# Altium PCB CATS-FAT..PcbDoc (part 2 of 2)
Units mm, origin at the board's own origin, x right, y up, seen from the top; angles counter-clockwise.
Board outline 100 x 33 mm, 4 copper layers (Top Layer, Mid Layer 1, Mid Layer 2, Bottom Layer), stack 1.57 mm thick; 163 components, 100 nets, 630 pads, 225 vias.
Unrouted connection lines stored in the file: 104.
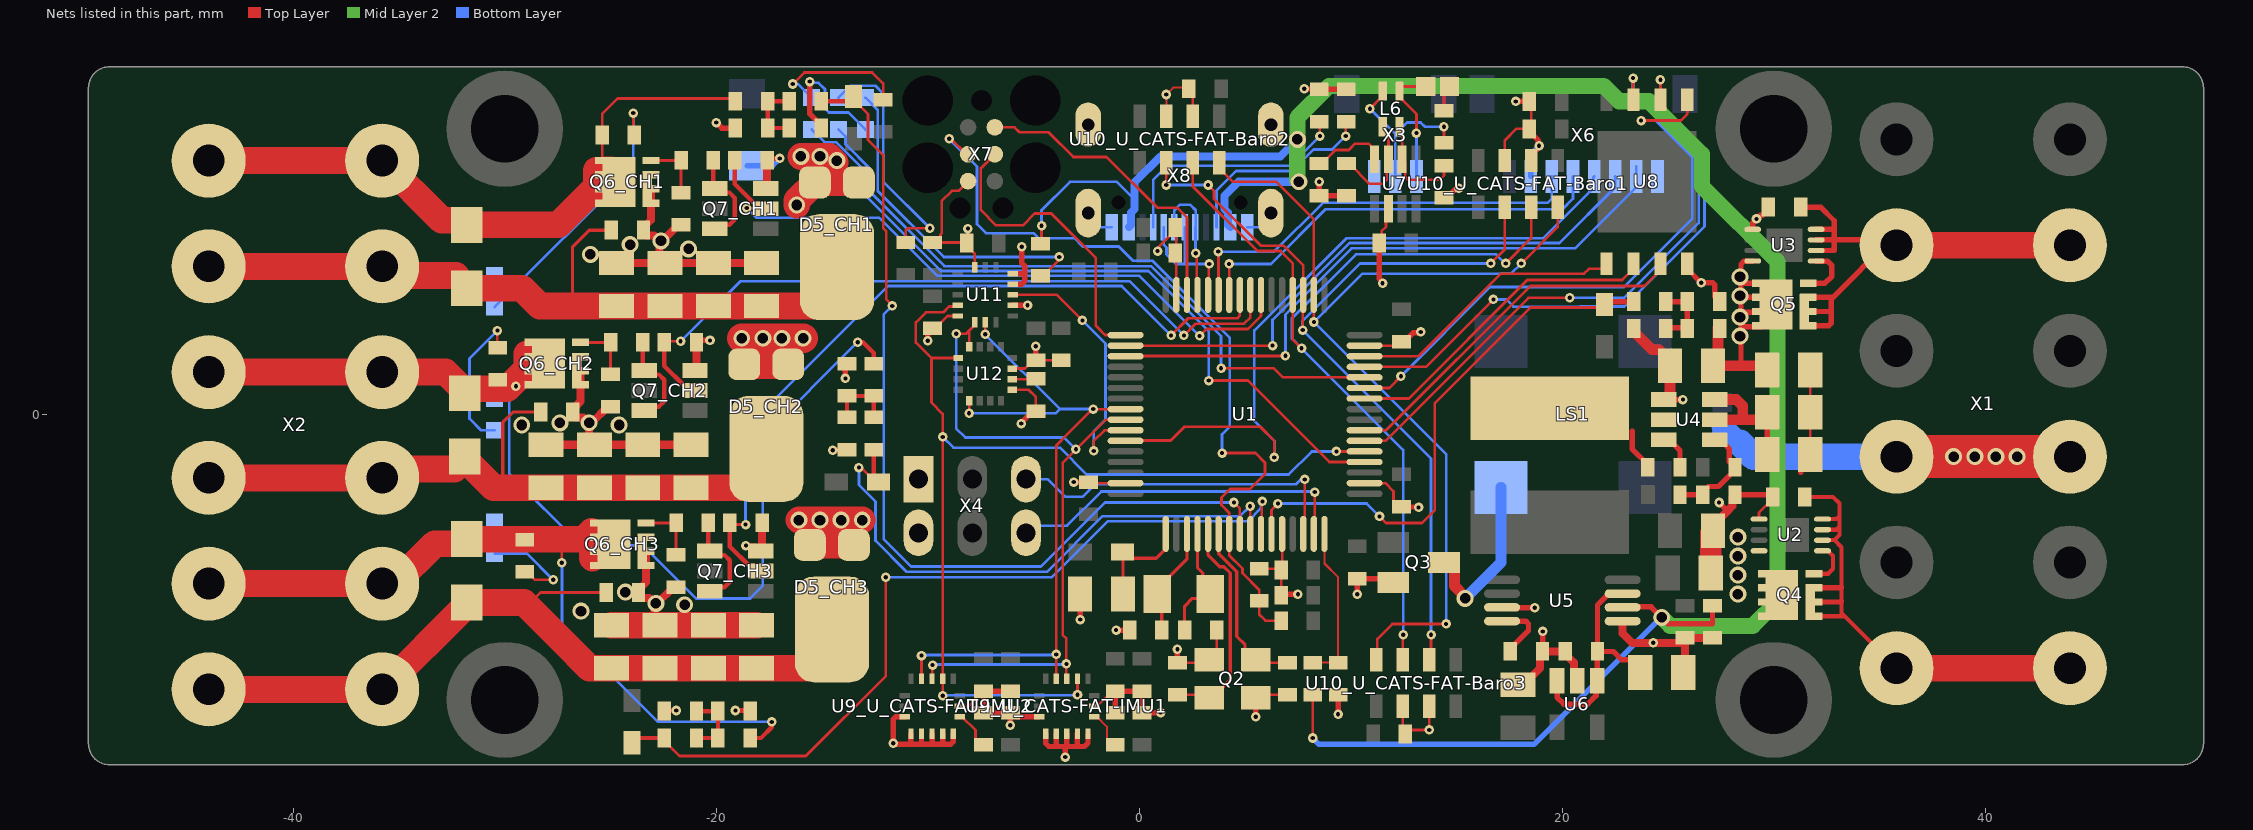
[diagram p4: the nets of this part, all layers, seen from the top]

## Via types
v1: diameter 0.45, hole 0.2, Top Layer to Bottom Layer, tented both sides, 176 vias
v2: diameter 0.8, hole 0.5, Top Layer to Bottom Layer, tented both sides, 46 vias
v3: diameter 0.55, hole 0.3, Top Layer to Bottom Layer, tented both sides, 3 vias

## Nets (pads, with @x,y where several pads share a name; then routed paths per layer and width w, separated by ;. In a path a pad name is that pad's centre, name@x,y a point inside that pad or via, vN(x,y) a via of type N, cw(c..) or ccw(c..) an arc to the next point about the centre after c; other vN are vias at no path point) (continued)
GND: C1.1 C2.1 C3.1 C4.1 C5.1 C6.1 C7.1 C8.1 C9.1 C10.1 C11.1 C12.1 C13.1 C14.1 C15.1 C16.1 C17.1 C19.1 C22.1 C23.1 C24.1 C25.1 C26.1 C27.1 C28.1 C29.1 C30.1 C31_CH1.1 C31_CH2.1 C31_CH3.1 C32_CH1.1 C32_CH2.1 C32_CH3.1 C33_CH1.1 C33_CH2.1 C33_CH3.1 C34_CH1.1 C34_CH2.1 C34_CH3.1 C35_CH1.1 C35_CH2.1 C35_CH3.1 C36.1 C37.1 C38.1 C39.1 C40_U_CATS-FAT-IMU1.1 C40_U_CATS-FAT-IMU2.1 C41_U_CATS-FAT-IMU1.1 C41_U_CATS-FAT-IMU2.1 C42_U_CATS-FAT-IMU1.1 C42_U_CATS-FAT-IMU2.1 C43_U_CATS-FAT-IMU1.1 C43_U_CATS-FAT-IMU2.1 C44_U_CATS-FAT-Baro1.1 C44_U_CATS-FAT-Baro2.1 C44_U_CATS-FAT-Baro3.1 C45.1 C46.1 C47.1 C48.1 C49.1 C50.1 JP1.1 P3.K P4_CH1.K P4_CH2.K P4_CH3.K Q2.3 Q3.S Q6_CH1.S Q6_CH2.S Q6_CH3.S Q7_CH1.3 Q7_CH2.3 Q7_CH3.3 R6.1 R10.1 R11.1 R13.1 R17_CH1.1 R17_CH2.1 R17_CH3.1 R19_CH1.1 R19_CH2.1 R19_CH3.1 R20_CH1.1 R20_CH2.1 R20_CH3.1 R21_CH1.1 R21_CH2.1 R21_CH3.1 R23.1 R24.1 R25.2 R27.1 S2.2 U1.12 U1.18 U1.31 U1.47 U1.63 U2.5 U3.5 U4.4 U5.3 U5.5 U6.2 U7.2 U8.4 U9_U_CATS-FAT-IMU1.8 U9_U_CATS-FAT-IMU1.9 U9_U_CATS-FAT-IMU1.10 U9_U_CATS-FAT-IMU1.11 U9_U_CATS-FAT-IMU1.12 U9_U_CATS-FAT-IMU1.13 U9_U_CATS-FAT-IMU1.15 U9_U_CATS-FAT-IMU2.8 U9_U_CATS-FAT-IMU2.9 U9_U_CATS-FAT-IMU2.10 U9_U_CATS-FAT-IMU2.11 U9_U_CATS-FAT-IMU2.12 U9_U_CATS-FAT-IMU2.13 U9_U_CATS-FAT-IMU2.15 U10_U_CATS-FAT-Baro1.2 U10_U_CATS-FAT-Baro1.3 U10_U_CATS-FAT-Baro2.2 U10_U_CATS-FAT-Baro2.3 U10_U_CATS-FAT-Baro3.2 U10_U_CATS-FAT-Baro3.3 U11.5 U11.10 U11.12 U11.13 U11.16 U12.9 U12.11 X1.3 X3.1 X4.1 X4.2 X6.2 X6.8 X7.5 X8.A1B12 X8.B1A12 X8.G1 X8.G2 X8.G3 X8.G4 | length 210.3
  Top Layer w0.102: U9_U_CATS-FAT-IMU1.15@-2.129,-13.8 -2.004,-13.8 -1.552,-13.348 -1.41,-13.348 C41_U_CATS-FAT-IMU1.1@-1.143,-13.081 ; U10_U_CATS-FAT-Baro2.3@1.275,14.1 v1(1.275,15.125) 1.6,15.45 2.288,15.45 C44_U_CATS-FAT-Baro2.1@2.338,15.4 2.525,15.213 U10_U_CATS-FAT-Baro2.2@2.525,14.1
  Top Layer w0.127: C45.1@-9.779,4.064 -9.652,4.064 -9.062,4.654 U11.5@-8.581,4.654 ; C46.1@-9.779,8.128 C46.1@-9.652,8.128 ; U9_U_CATS-FAT-IMU2.15@-8.5,-13.8 -8.085,-13.8 -7.747,-13.462 -7.747,-13.335 -7.493,-13.081 C41_U_CATS-FAT-IMU2.1@-7.366,-13.081 ; v1(-8.103,8.788) -8.103,8.167 C47.1@-8.17,8.1 ; X7.5@-8.1,11.03 -8.561,10.569 -8.862,10.569 -9.347,10.084 -9.347,8.56 -9.398,8.509 -9.398,8.382 C46.1@-9.652,8.128 ; U11.16@-7.781,6.954 -7.781,7.584 -8.17,7.973 C47.1@-8.17,8.1 ; U12.9@-6.017,1.166 -5.242,1.166 -4.892,0.816 C50.1@-4.892,0.154 ; U12.11@-6.017,2.166 -5.407,2.166 -5.019,2.554 C49.1@-4.892,2.554 C48.1@-3.692,2.554 ; C6.1@-2.4,-3.2 -2.35,-3.25 U1.63@-0.65,-3.25 ; v1(0.864,7.722) 0.925,7.783 0.925,7.936 1.7,8.711 C3.1@1.7,8.838 1.75,8.788 U1.47@1.75,5.65 ; C11.1@1.8,-11.738 3.162,-11.738 Q2.3@3.3,-11.6 3.662,-11.238 C10.1@3.662,-10.2 ; Q2.3@5.5,-13.4 5.638,-13.262 C12.1@7,-13.262 ; C13.1@5.668,-7.292 6.704,-7.292 C7.1@6.706,-7.29 ; C8.1@6.706,-8.554 C7.1@6.706,-7.354 C7.1@6.706,-7.29 ; U1.12@6.75,-5.65 6.75,-7.246 C7.1@6.706,-7.29 ; U1.18@10.65,-3.25 11.632,-3.25 12.019,-3.637 12.019,-4.108 12.273,-4.362 C4.1@12.4,-4.362 ; U1.31@10.65,3.25 12.212,3.25 C5.1@12.4,3.438 ; C38.1@11.338,8.1 11.455,8.217 11.455,8.661 11.659,8.865 11.659,9.609 U7.2@11.775,9.725 ; U10_U_CATS-FAT-Baro3.2@12.456,-13.8 12.456,-14.996 C44_U_CATS-FAT-Baro3.1@12.573,-15.113 12.624,-15.164 12.868,-14.92 v1(13.706,-14.92) U10_U_CATS-FAT-Baro3.3@13.706,-13.8 ; U10_U_CATS-FAT-Baro1.3@17.275,12 17.275,12.957 17.818,13.5 C44_U_CATS-FAT-Baro1.1@18.438,13.5 ; C39.1@18.438,14.8 18.525,14.713 C44_U_CATS-FAT-Baro1.1@18.525,13.5 ; U2.5@29.3,-4.95 29.3,-4.634 29.653,-4.281 29.684,-4.281 29.888,-4.077 C14.1@29.888,-3.85 ; C15.1@31.716,-1.9 C16.1@31.716,0.1 C19.1@31.716,2.1 ; C46.1@-9.652,8.128 -8.198,8.128 C47.1@-8.17,8.1
  Top Layer w0.254: C35_CH3.1@-22.464,-14.03 -22.434,-14 v1(-21.9,-14) ; R20_CH2.1@-20.939,3.414 -20.852,3.5 v1(-20.3,3.5) ; v1(-20,13.8) -19.737,13.537 R21_CH1.1@-19.097,13.537 ; v1(-19.1,-14) -18.43,-14 R21_CH3.1@-18.4,-14.03 ; v1(-18.6,-6.2) -18.562,-6.238 -18.129,-6.238 Q7_CH3.3@-17.909,-6.458 ; R20_CH1.1@-17.602,12.013 -17.515,12.1 v1(-17,12.1) ; v1(-15.58,15.739) -15.58,14.21 -15.033,13.664 C35_CH1.1@-15.033,13.537 ; v1(-14.5,-1.7) -14.483,-1.683 -13.843,-1.683 C35_CH2.1@-13.827,-1.666 ; v1(-13.9,1.7) -13.9,2.324 R21_CH2.1@-13.827,2.398 ; v1@-11.633,-15.599 -10.3,-15.599 ; v1(-11.633,-15.545) -11.633,-14.402 -11.531,-14.3 U9_U_CATS-FAT-IMU2.8@-11.1,-14.3 ; -10.816,-15.599 U9_U_CATS-FAT-IMU2.9@-10.8,-15.1 ; U9_U_CATS-FAT-IMU2.10@-10.3,-15.1 -10.3,-15.599 ; v1(-10.008,3.48) -10.008,3.873 -9.817,4.064 C45.1@-9.779,4.064 ; U9_U_CATS-FAT-IMU2.11@-9.8,-15.1 -9.8,-15.599 ; U9_U_CATS-FAT-IMU2.12@-9.3,-15.1 -9.3,-15.599 ; U9_U_CATS-FAT-IMU2.13@-8.8,-15.1 -8.802,-15.102 -8.802,-15.477 -8.924,-15.599 -9.3,-15.599 ; v1(-6.1,-14.7) -6.1,-14.101 C40_U_CATS-FAT-IMU2.1@-6.096,-14.097 ; C42_U_CATS-FAT-IMU2.1@-6.096,-13.081 C41_U_CATS-FAT-IMU2.1@-7.366,-13.081 C43_U_CATS-FAT-IMU2.1@-7.366,-14.097 C40_U_CATS-FAT-IMU2.1@-6.096,-14.097 ; U11.10@-5.981,5.154 -5.98,5.155 v1(-5.283,5.156) v1(-5.283,5.156) ; U11.12@-5.981,6.154 -5.979,6.156 -5.559,6.156 -5.41,6.305 -5.41,6.658 ; U11.13@-5.981,6.654 -5.415,6.654 -5.41,6.658 ; v1(-5.588,-0.432) -5.588,-0.415 -5.019,0.154 C50.1@-4.892,0.154 ; v1(-5.563,7.925) -5.563,7.164 -5.41,7.012 -5.41,6.658 ; v1(-4.902,3.226) -4.902,2.564 C49.1@-4.892,2.554 ; U9_U_CATS-FAT-IMU1.8@-4.729,-14.3 -5.766,-14.3 -5.969,-14.097 C40_U_CATS-FAT-IMU2.1@-6.096,-14.097 ; U9_U_CATS-FAT-IMU1.9@-4.429,-15.1 -4.427,-15.102 -4.427,-15.551 -4.278,-15.7 -3.839,-15.7 ; U9_U_CATS-FAT-IMU1.10@-3.929,-15.1 -3.929,-15.61 -3.839,-15.7 ; v1(-3.5,-16.2) -3.5,-15.8 -3.4,-15.7 ; U9_U_CATS-FAT-IMU1.11@-3.429,-15.1 -3.429,-15.671 -3.4,-15.7 ; v1(-3.1,-3.2) C6.1@-2.4,-3.2 ; U9_U_CATS-FAT-IMU1.12@-2.929,-15.1 -2.929,-15.671 -2.9,-15.7 ; v1(-2.8,-9.7) C1.1@-2.8,-8.5 ; U9_U_CATS-FAT-IMU1.13@-2.429,-15.1 -2.431,-15.102 -2.431,-15.531 -2.6,-15.7 -2.9,-15.7 ; C43_U_CATS-FAT-IMU1.1@-1.143,-14.097 C41_U_CATS-FAT-IMU1.1@-1.143,-13.081 C42_U_CATS-FAT-IMU1.1@0.127,-13.081 C40_U_CATS-FAT-IMU1.1@0.127,-14.097 0.128,-14.098 0.998,-14.098 v1(1,-14.1) ; v1(-1.1,-10.2) C9.1@-0.462,-10.2 ; C11.1@1.8,-11.738 v1(1.8,-11.1) ; v1(5.5,-14.3) Q2.3@5.5,-13.4 ; C8.1@6.706,-8.554 6.759,-8.5 v1(7.5,-8.5) ; v1(7.8,15.4) 7.816,15.383 8.493,15.383 R24.1@8.509,15.367 R23.1@9.779,15.367 ; v1(8.5,11) R27.1@8.5,10.338 C37.1@9.8,10.338 ; v1(9.398,-14.173) 9.398,-13.264 R25.2@9.4,-13.262 ; v1(10.3,-8.5) R6.1@10.3,-7.762 11.812,-7.762 Q3.S@12,-7.95 ; C38.1@11.338,8.1 11.338,6.415 11.5,6.253 v1(11.5,6.2) ; C4.1@12.4,-4.362 12.419,-4.381 13.181,-4.381 v1(13.2,-4.4) ; C5.1@12.4,3.438 12.527,3.438 12.951,3.862 13.262,3.862 v1(13.3,3.9) ; C36.1@14.4,10.238 14.527,10.238 14.951,10.662 15.062,10.662 v1(15.1,10.7) ; U5.3@17.15,-9.125 17.16,-9.134 18.685,-9.134 v1(18.694,-9.144) ; v1(17.8,14.8) C39.1@18.438,14.8 ; C44_U_CATS-FAT-Baro1.1@18.438,13.5 18.438,13.373 18.862,12.949 18.862,12.738 v1(18.9,12.7) 18.862,12.662 18.862,12.588 18.525,12.25 U10_U_CATS-FAT-Baro1.2@18.525,12 ; R13.1@19.062,-11.2 19.069,-11.193 19.069,-10.268 v1(19.075,-10.262) ; U4.4@24.8,0.7 v1(25.7,0.7) ; U8.4@25.905,7.125 25.905,6.885 v1(26.567,6.223) 27.102,6.223 27.203,6.121 27.203,5.563 C25.1@27.432,5.334 ; v1(27.407,-4.166) 27.802,-4.56 ; R11.1@28.162,-3.8 29.838,-3.8 29.888,-3.85 C14.1@29.938,-3.9 C14.1@29.938,-3.773 ; U3.5@29,8.75 29,9.062 v1(29.179,9.241) 29.357,9.419 29.484,9.419 29.738,9.673 C17.1@29.738,9.8 ; 31.271,-2.729 31.271,-2.344 C15.1@31.716,-1.9 ; -10.3,-15.599 -9.8,-15.599 ; -9.8,-15.599 -9.3,-15.599 ; -3.839,-15.7 -3.4,-15.7 ; -3.4,-15.7 -2.9,-15.7
  Top Layer w0.381: C31_CH2.1@-28.051,-1.436 C32_CH2.1@-25.765,-1.436 ; Q6_CH2.S@-26.595,2.057 -26.427,2.057 -26.418,2.047 Q6_CH2.S@-26.418,1.393 -26.418,0.602 -26.781,0.239 R17_CH2.1@-26.781,0.112 -26.781,-0.015 -26.654,-0.142 -26.273,-0.142 v2(-26.019,-0.396) ; R19_CH2.1@-25.003,0.366 -25.13,0.366 -25.892,-0.396 v2(-26.019,-0.396) ; C31_CH1.1@-24.714,7.163 C32_CH1.1@-22.428,7.163 ; Q6_CH3.S@-23.495,-6.479 -23.327,-6.479 -23.318,-6.489 Q6_CH3.S@-23.318,-7.143 -23.318,-7.934 -23.681,-8.297 R17_CH3.1@-23.681,-8.424 -23.681,-8.551 -23.554,-8.678 -23.173,-8.678 v2@-22.919,-8.932 ; Q6_CH1.S@-23.259,10.656 -23.09,10.656 -23.081,10.647 Q6_CH1.S@-23.081,9.992 -23.081,9.201 -23.444,8.838 R17_CH1.1@-23.444,8.711 -23.444,8.584 -23.317,8.457 -22.936,8.457 v2@-22.682,8.203 ; C32_CH3.1@-22.665,-9.972 -22.919,-9.718 v2@-22.919,-8.932 ; R19_CH3.1@-21.903,-8.17 -22.03,-8.17 -22.792,-8.932 v2@-22.919,-8.932 ; R19_CH1.1@-21.666,8.965 -21.793,8.965 -22.555,8.203 v2@-22.682,8.203 ; C34_CH2.1@-21.193,-1.436 C33_CH2.1@-23.479,-1.436 C32_CH2.1@-25.765,-1.436 ; Q7_CH2.3@-21.009,2.078 -20.939,2.148 R20_CH2.1@-20.939,3.414 ; Q7_CH3.3@-17.909,-6.458 -17.839,-6.388 R20_CH3.1@-17.839,-5.122 ; C34_CH1.1@-17.856,7.163 C33_CH1.1@-20.142,7.163 C32_CH1.1@-22.428,7.163 ; Q7_CH1.3@-17.672,10.677 -17.602,10.747 R20_CH1.1@-17.602,12.013 ; C30.1@17.9,-12.784 18.154,-12.784 18.935,-12.003 18.935,-11.327 R13.1@19.062,-11.2 C26.1@20.138,-11.2 20.138,-11.327 20.541,-11.73 20.541,-12.441 U6.2@20.7,-12.6 ; U5.5@22.85,-9.775 22.85,-10.35 23.3,-10.8 v1(24.3,-10.8) 25.562,-10.8 C27.1@25.8,-10.562 ; C29.1@25.716,-12.2 25.8,-12.116 C27.1@25.8,-10.562 ; C23.1@27.016,-5.6 C23.1@27.116,-5.5 27.116,-5.246 27.802,-4.56 28.035,-4.327 28.035,-3.927 R11.1@28.162,-3.8 ; C28.1@27.1,-10.562 C27.1@25.8,-10.562 ; v2(-26.019,-0.396) -26.019,-1.182 C32_CH2.1@-25.765,-1.436 ; v2@-22.682,8.203 -22.682,7.417 C32_CH1.1@-22.428,7.163
  Top Layer w0.508: R10.1@23.368,4.064 23.368,3.937 24.243,3.062 24.576,3.062 25.084,2.554 C22.1@25.084,2.3 25.084,0.984 U4.4@24.8,0.7
  Top Layer w1.016: C24.1@27.016,-7.5 C23.1@27.016,-5.6
  Top Layer w1.27: C31_CH3.1@-24.951,-9.972 C32_CH3.1@-22.665,-9.972 C33_CH3.1@-20.379,-9.972 C34_CH3.1@-18.093,-9.972
  Top Layer w2.032: X1.3@35.8,-2 X1.3@44,-2
  Bottom Layer w0.127: v1(-15.58,15.739) -15.519,15.678 -15.164,15.678 -14.859,15.372 -14.859,14.453 -14.681,14.275 -13.755,14.275 P3.K@-12.954,13.474 ; X8.G2@-2.42,9.52 -2.42,9.346 -1.924,8.85 X8.A1B12@-1.3,8.85 ; X8.B1A12@5.1,8.85 5.724,8.85 6.22,9.346 X8.G4@6.22,9.52
  Bottom Layer w0.254: S2.2@-18.542,11.762 -17.338,11.762 v1(-17,12.1) ; X6.2@18.5,11.25 18.5,12.3 v1(18.9,12.7)
  Bottom Layer w1.016: JP1.1@27.559,-0.559 28.346,-1.346 28.397,-1.346
  Bottom Layer w1.27: 28.397,-1.346 29.051,-2 X1.3@35.8,-2
  other v2: -26.4,-9.3 -21.5,-9 -22.855,-8.932 -24.3,-8.4 38.5,-2 39.5,-2 40.5,-2 41.5,-2 -29.2,-0.5 -24.6,-0.5 -27.4,-0.4 -25.959,7.569 -21.311,7.823 -24.079,8.026 -22.618,8.203
INT_ACCEL: U1.58 U11.11 | length 12.8
  Top Layer w0.127: U11.11@-5.981,5.654 -3.901,5.654 v1(-2.692,4.445) ; v1(-2.159,-1.727) -2.159,-1.257 -1.658,-0.756 -0.656,-0.756 U1.58@-0.65,-0.75
  Bottom Layer w0.127: v1(-2.692,4.445) -1.6,3.353 -1.6,-0.254 -2.159,-0.813 v1(-2.159,-1.727)
IO1: U1.59 X6.5 | length 34.1
  Top Layer w0.127: U1.59@-0.65,-1.25 -0.635,-1.235 1.483,-1.235 2.134,-0.584 5.715,-0.584 6.375,-1.245 v1(6.375,-2.032)
  Bottom Layer w0.127: v1(6.375,-2.032) 6.375,-1.245 5.436,-0.305 5.436,3.962 9.804,8.331 19.101,8.331 21.463,10.693 21.463,11.213 X6.5@21.5,11.25
IO2: U1.50 X6.6 | length 27.5
  Top Layer w0.127: U1.50@-0.649,3.251 v1(6.299,3.251)
  Bottom Layer w0.127: v1(6.299,3.251) 6.299,4.47 9.931,8.103 19.863,8.103 22.5,10.74 X6.6@22.5,11.25 X6.6@22.479,11.229
IO3: U1.51 X6.7 | length 29.6
  Top Layer w0.127: U1.51@-0.65,2.75 -0.641,2.759 6.9,2.759 v1(6.909,2.769)
  Bottom Layer w0.127: v1(6.909,2.769) 6.909,4.724 10.033,7.849 20.599,7.849 23.5,10.749 X6.7@23.5,11.25 X6.7@23.5,11.725
LED1: P2.K U1.20 | length 34.7
  Top Layer w0.127: v1(3.277,1.6) 5.131,1.6 8.981,-2.25 U1.20@10.65,-2.25
  Bottom Layer w0.127: P2.K@-15.494,13.474 -14.891,12.871 -14.336,12.871 -13.119,11.654 -13.119,10.519 -9.382,6.782 0.432,6.782 3.277,3.937 v1(3.277,1.6)
LED2: P1.K U1.28 | length 31.5
  Top Layer w0.127: v1(3.861,2.184) 6.35,2.184 6.784,1.75 10.622,1.75 10.636,1.764 U1.28@10.65,1.75
  Bottom Layer w0.127: P1.K@-14.224,13.474 -13.896,13.146 -13.896,12.778 -12.7,11.582 -12.7,10.5 -9.21,7.01 0.559,7.01 3.861,3.708 v1(3.861,2.184)
NetC1_2: C1.2 D1.K U1.1 | length 5
  Top Layer w0.152: D1.K@-0.8,-6.5 D1.K@-0.768,-6.532 ; C1.2@-0.768,-8.5 D1.K@-0.768,-6.532 ; U1.1@1.25,-5.65 1.25,-6.35 0.8,-6.8 -0.5,-6.8 D1.K@-0.768,-6.532
NetC9_2: C9.2 Q1.1 U1.3 | length 5.2
  Top Layer w0.152: C9.2@1.062,-10.2 1.062,-8.712 Q1.1@0.85,-8.5 0.85,-8.25 2.25,-6.85 U1.3@2.25,-5.65
NetC10_2: C10.2 Q1.2 U1.4 | length 5.7
  Top Layer w0.152: C10.2@2.138,-10.2 2.138,-9.062 2.5,-8.7 3.15,-8.7 Q1.2@3.35,-8.5 3,-8.15 3,-7.5 2.75,-7.25 U1.4@2.75,-5.65
NetC11_2: C11.2 Q2.1 U1.5 | length 10.4
  Top Layer w0.127: C11.2@1.8,-13.262 3.162,-13.262 Q2.1@3.3,-13.4
  Top Layer w0.152: U1.5@3.25,-5.65 3.25,-6.654 3.796,-7.2 4,-7.2 4.3,-7.5 4.3,-12.55 3.45,-13.4 Q2.1@3.3,-13.4
NetC12_2: C12.2 Q2.2 U1.6 | length 8.2
  Top Layer w0.127: Q2.2@5.474,-11.6 5.612,-11.738 C12.2@7,-11.738
  Top Layer w0.152: U1.6@3.75,-5.65 3.75,-6.591 4.6,-7.441 4.6,-10.5 5,-10.9 5,-11.126 Q2.2@5.474,-11.6
NetC14_2: C14.2 Q4.S U2.2 U2.3 U2.4 X1.1 | length 25.4
  Top Layer w0.2: C14.2@31.462,-3.9 32.8,-3.9 33.1,-4.2 33.1,-4.8 ; Q4.S@31.9,-9.54 33.34,-9.54 ; U2.2@32.3,-5.95 32.31,-5.94 32.86,-5.94 ; U2.3@32.3,-5.45 32.95,-5.45 33.1,-5.3 ; U2.4@32.3,-4.95 32.95,-4.95 33.1,-4.8 ; X1.1@35.8,-12 33.34,-9.54 ; 32.86,-5.94 33.2,-6.281 33.2,-8.179 33.2,-8.839 33.2,-9.4 33.34,-9.54 ; 32.86,-5.94 33.1,-5.7 33.1,-5.3 ; 33.1,-5.3 33.1,-4.8
  Top Layer w0.254: Q4.S@31.9,-8.87 33.169,-8.87 33.2,-8.839 ; Q4.S@31.9,-8.2 33.179,-8.2 33.2,-8.179
  Top Layer w1.27: X1.1@35.8,-12 X1.1@44,-12
NetC17_2: C17.2 Q5.S U3.2 U3.3 U3.4 X1.5 | length 25.6
  Top Layer w0.254: C17.2@31.262,9.8 32.212,9.8 32.855,9.156 32.855,8.75 ; Q5.S@31.625,4.195 32.592,4.195 32.715,4.318 32.715,4.865 ; Q5.S@31.625,4.865 32.715,4.865 ; Q5.S@31.625,5.535 32.789,5.535 ; U3.2@32,7.75 32.744,7.75 ; U3.3@32,8.25 32.855,8.25 ; U3.4@32,8.75 32.855,8.75 ; X1.5@35.55,8.25 X1.5@35.8,8 ; 32.715,4.865 32.715,5.461 32.789,5.535 ; 32.744,7.75 32.855,7.75 32.855,7.861 ; 32.744,7.75 32.855,7.861 ; 32.789,5.535 35.471,8.217 35.438,8.25 32.855,8.25 ; 32.855,7.861 32.855,8.25 ; 32.855,8.25 32.855,8.75
  Top Layer w1.27: X1.5@35.8,8 X1.5@44,8
NetC20_1: C20.1 U4.6 | length 1.8
  Top Layer w0.254: U4.6@24.8,-1.2 25.05,-1.2 25.562,-1.712 C20.1@25.562,-2.5
NetC20_2: C20.2 L3.1 U4.5 | length 2
  Top Layer w0.254: 23.3,-0.8 23.3,-1.635 24.038,-2.373 C20.2@24.038,-2.5
NetC21_1: C21.1 R8.1 R11.2 U4.1 | length 5.1
  Top Layer w0.254: R8.1@25.562,-3.8 R11.2@26.638,-3.8 26.638,-3.673 26.905,-3.406 27.383,-3.406 28.162,-2.627 C21.1@28.162,-2.5 27.895,-2.233 27.895,-1.645 27.45,-1.2 U4.1@27.2,-1.2
NetC25_2: C25.2 R7.1 R9.2 R10.2 | length 3.3
  Top Layer w0.254: R10.2@24.862,4.1 R7.1@25.838,4.1 ; R9.2@24.892,5.334 C25.2@25.908,5.334 R7.1@25.908,4.064
NetC26_2: C26.2 C29.2 U5.7 U6.1 U6.3 | length 11.2
  Top Layer w0.254: U6.3@19.75,-12.6 19.75,-13.383 20.067,-13.7 21.2,-13.7 21.6,-13.3 21.6,-12.65 U6.1@21.65,-12.6 C26.2@21.65,-11.212 ; U5.7@22.85,-8.475 22.2,-8.475 21.662,-9.013 C26.2@21.662,-11.2 C26.2@21.65,-11.212 ; C29.2@23.684,-12.2 23.684,-11.946 23.338,-11.6 22.803,-11.6 22.415,-11.212 C26.2@21.65,-11.212
NetC35_CH1_2: C35_CH1.2 R15_CH1.1 R18_CH1.2 R21_CH1.2 | length 3.3
  Top Layer w0.203: C35_CH1.2@-16.557,13.537 R21_CH1.2@-17.573,13.537 R15_CH1.1@-17.573,14.807 R18_CH1.2@-16.557,14.807
NetC35_CH2_2: C35_CH2.2 R15_CH2.1 R18_CH2.2 R21_CH2.2 | length 3.3
  Top Layer w0.203: C35_CH2.2@-13.827,-0.142 R21_CH2.2@-13.827,0.874 R15_CH2.1@-12.557,0.874 R18_CH2.2@-12.557,-0.142
NetC35_CH3_2: C35_CH3.2 R15_CH3.1 R18_CH3.2 R21_CH3.2 | length 3.3
  Top Layer w0.203: R18_CH3.2@-20.94,-15.3 R15_CH3.1@-19.924,-15.3 R21_CH3.2@-19.924,-14.03 C35_CH3.2@-20.94,-14.03
NetC36_2: C36.2 L6.1 U7.6 | length 4.9
  Top Layer w0.127: L6.1@12.3,13.6 12.425,13.475 U7.6@12.425,12.075 12.572,11.929 12.572,11.228 12.7,11.1 14.2,11.1 14.4,11.3 C36.2@14.4,11.762
NetC37_2: C37.2 L6.4 U7.7 | length 5
  Top Layer w0.127: C37.2@9.8,11.862 9.927,11.862 10.889,10.9 11.5,10.9 11.7,11.1 11.7,12 U7.7@11.775,12.075 11.775,13.075 11.5,13.35 L6.4@11.5,13.6
NetC43_U_CATS-FAT-IMU1_2: C43_U_CATS-FAT-IMU1.2 U9_U_CATS-FAT-IMU1.14 | length 1.9
  Top Layer w0.102: U9_U_CATS-FAT-IMU1.14@-2.129,-14.3 -2.004,-14.3 -1.537,-14.767 -1.537,-15.354 -1.27,-15.621 C43_U_CATS-FAT-IMU1.2@-1.143,-15.621
NetC43_U_CATS-FAT-IMU2_2: C43_U_CATS-FAT-IMU2.2 U9_U_CATS-FAT-IMU2.14 | length 1.9
  Top Layer w0.127: U9_U_CATS-FAT-IMU2.14@-8.5,-14.3 -8.375,-14.3 -7.747,-14.928 -7.747,-15.367 -7.493,-15.621 C43_U_CATS-FAT-IMU2.2@-7.366,-15.621
NetC50_2: C50.2 U12.10 | length 1.1
  Top Layer w0.127: U12.10@-6.017,1.666 -4.904,1.666 C50.2@-4.892,1.678
NetJP6_1: JP6.1 L6.2 X3.3 | length 5.7
  Top Layer w0.127: v1(13.1,13.3) 13.1,14.2 12.3,15 L6.2@12.3,15.3 12.3,15.363 12.437,15.5 JP6.1@13.541,15.5
  Bottom Layer w0.127: X3.3@13.1,11.25 v1(13.1,13.3)
NetJP6_2: JP6.2 R26.2 | length 1.2
  Top Layer w0.127: R26.2@14.4,14.362 14.4,15.241 JP6.2@14.659,15.5
NetL6_3: L6.3 R26.1 X3.2 | length 8.3
  Top Layer w0.127: v1(10.9,14.45) 11.5,15.05 L6.3@11.5,15.3 ; R26.1@14.273,12.838 R26.1@14.4,12.838 v1(14.4,13.6)
  Bottom Layer w0.127: v1(10.9,14.45) 12.1,13.25 ; X3.2@12.1,11.25 12.1,13.25 ; v1(14.4,13.6) 13.5,13.6 13.3,13.8 12.65,13.8 12.1,13.25
NetLS1_2: LS1.2 Q3.D | length 8.2
  Top Layer w0.508: Q3.D@14.4,-7 14.65,-7 14.896,-7.246 14.896,-8.117 15.4,-8.621 v2(15.4,-8.7)
  Bottom Layer w0.508: v2(15.4,-8.7) 17.1,-7 LS1.2@17.1,-3.45
NetP1_A: P1.A R3.1 | length 11.5
  Top Layer w0.127: R3.1@-11.049,8.128 -11.049,8.687 -10.936,8.8 v1(-9.9,8.8)
  Bottom Layer w0.127: P1.A@-14.224,14.974 -13.659,15.539 -12.486,15.539 -12.11,15.164 -12.11,11.01 v1(-9.9,8.8)
NetP2_A: P2.A R4.1 | length 6.6
  Top Layer w0.127: v1(-16.383,15.621) -15.84,16.164 -12.633,16.164 -12.116,15.646 R4.1@-12.116,14.884
  Bottom Layer w0.127: v1(-16.383,15.621) -16.141,15.621 P2.A@-15.494,14.974
NetP3_A: P3.A R12.1 | length 15.9
  Top Layer w0.127: R12.1@-4.674,6.553 -4.547,6.553 -3.785,7.315 v1(-3.785,7.442)
  Bottom Layer w0.127: P3.A@-12.954,14.974 -12.37,14.39 -12.37,10.57 -9.242,7.442 v1(-3.785,7.442)
NetP4_CH1_A: P4_CH1.A R14_CH1.1 | length 12.9
  Top Layer w0.127: v1(-23.927,14.249) -23.927,13.259 R14_CH1.1@-23.876,13.208
  Bottom Layer w0.127: P4_CH1.A@-30.48,5.08 -23.927,11.633 v1(-23.927,14.249)
NetP4_CH2_A: P4_CH2.A R14_CH2.1 | length 6.9
  Top Layer w0.127: v1(-30.353,3.962) -30.353,3.176 R14_CH2.1@-30.337,3.16
  Bottom Layer w0.127: P4_CH2.A@-30.48,-0.75 -31.127,-0.75 -31.674,-0.203 -31.674,2.642 v1(-30.353,3.962)
NetP4_CH3_A: P4_CH3.A R14_CH3.1 | length 4.9
  Top Layer w0.127: R14_CH3.1@-29.04,-7.46 R14_CH3.1@-29.058,-7.442 -29.007,-7.391 -28.575,-7.823 v1(-27.711,-7.823)
  Bottom Layer w0.127: P4_CH3.A@-30.48,-6.58 -28.955,-6.58 v1(-27.711,-7.823)
NetQ4_G: Q4.G U2.1 | length 2.2
  Top Layer w0.2: Q4.G@31.9,-7.53 32.57,-7.53 32.8,-7.3 32.8,-6.688 32.562,-6.45 U2.1@32.3,-6.45
NetQ5_G: Q5.G U3.1 | length 2.6
  Top Layer w0.254: Q5.G@31.625,6.205 32.418,6.205 32.741,6.528 32.741,7.039 32.532,7.248 32.002,7.248 U3.1@32,7.25
NetQ6_CH1_G: Q6_CH1.G R16_CH1.1 R19_CH1.2 | length 2.9
  Top Layer w0.152: Q6_CH1.G@-23.081,12.002 -21.677,12.002 -21.666,11.991 R19_CH1.2@-21.666,10.489
NetQ6_CH2_G: Q6_CH2.G R16_CH2.1 R19_CH2.2 | length 2.9
  Top Layer w0.152: Q6_CH2.G@-26.418,3.403 -25.014,3.403 -25.003,3.392 R19_CH2.2@-25.003,1.89
NetQ6_CH3_G: Q6_CH3.G R16_CH3.1 R19_CH3.2 | length 2.9
  Top Layer w0.152: Q6_CH3.G@-23.318,-5.133 -21.914,-5.133 -21.903,-5.144 R19_CH3.2@-21.903,-6.646
NetQ7_CH1_4: Q7_CH1.4 Q7_CH1.6 R16_CH1.2 | length 4.6
  Top Layer w0.203: R16_CH1.2@-20.142,12.013 -20.142,10.747 Q7_CH1.4@-20.072,10.677 -19.884,10.489 -19.38,10.489 -19.126,10.235 -19.126,9.219 -19.38,8.965 -19.884,8.965 Q7_CH1.6@-20.072,8.777
NetQ7_CH2_4: Q7_CH2.4 Q7_CH2.6 R16_CH2.2 | length 4.6
  Top Layer w0.203: R16_CH2.2@-23.479,3.414 -23.479,2.148 Q7_CH2.4@-23.409,2.078 -23.22,1.89 -22.717,1.89 -22.463,1.636 -22.463,0.62 -22.717,0.366 -23.22,0.366 Q7_CH2.6@-23.409,0.178
NetQ7_CH3_4: Q7_CH3.4 Q7_CH3.6 R16_CH3.2 | length 4.6
  Top Layer w0.203: R16_CH3.2@-20.379,-5.122 -20.379,-6.388 Q7_CH3.4@-20.309,-6.458 -20.121,-6.646 -19.617,-6.646 -19.363,-6.9 -19.363,-7.916 -19.617,-8.17 -20.121,-8.17 Q7_CH3.6@-20.309,-8.358